# Altium PCB uTCA_MCH_PCB3.pcbdoc (part 3 of 25) (continued)
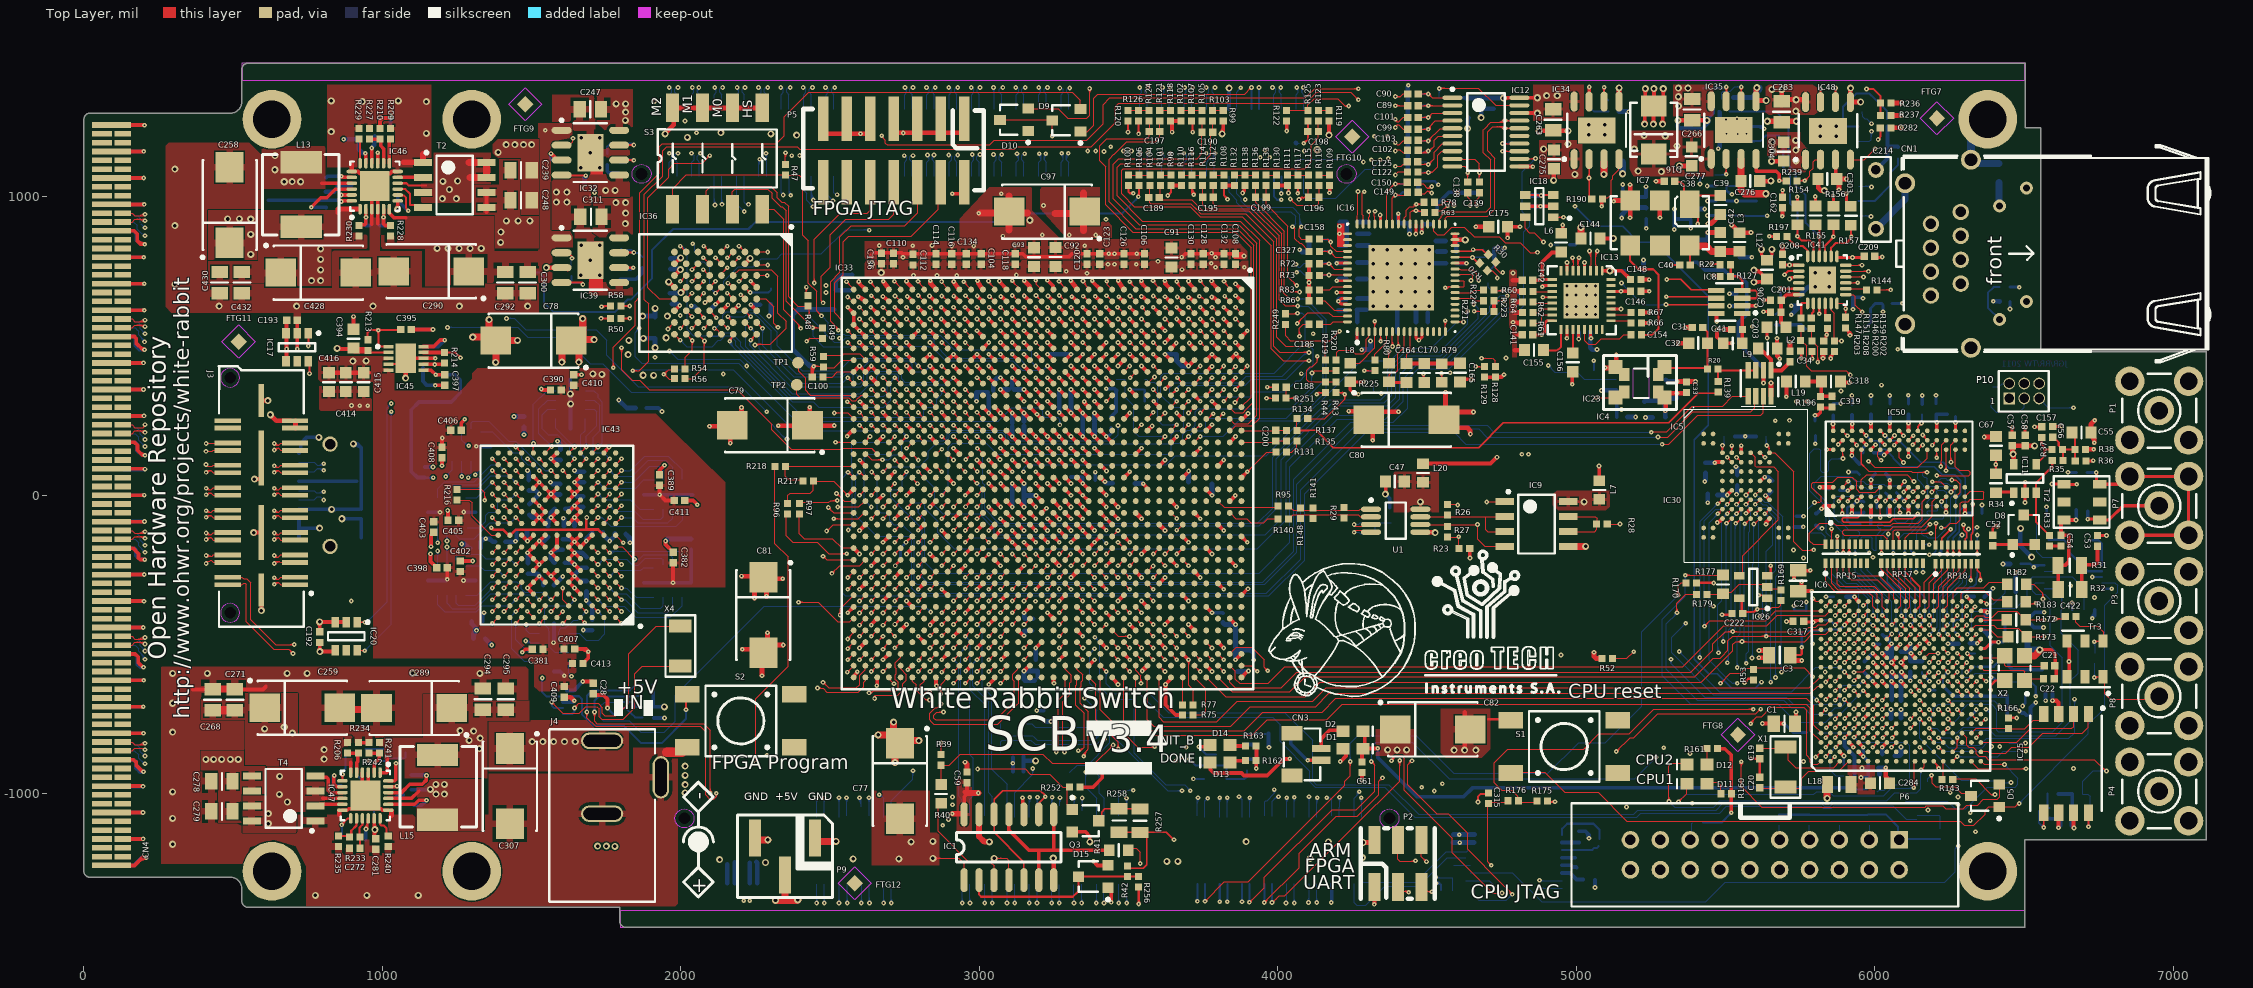
[diagram p0: Top Layer view]
## Part data
C1 C2 C3 C4 C75 C76 C85 C86 C247 C263 C266 C268 C269 C270 C271 C283 C292 C294 C295 C296 C297 C300 C301 C302 C311 C429 C430 C431 C432: library part CC0805_22UF_6.3V_20%_X5R, "Capacitor"
C5 C6 C7 C8 C9 C11 C12 C13 C14 C15 C16 C17 C18 C24 C25 C26 C27 C28 C29 C30 C31 C33 C34 C37 C38 C40 C41 C44 C45 C52 C56 C57 C59 C60 C62 C63 C65 C66 C100 C141 C142 C143 C146 C148 C159 C160 C162 C169 C171 C172 C173 C174 C176 C177 C178 C180 C181 C183 C184 C186 C187 C191 C192 C193 C194 C201 C207 C208 C209 C210 C212 C213 C215 C216 C217 C219 C220 C221 C222 C223 C224 C225 C226 C227 C228 C229 C230 C231 C232 C233 C234 C240 C241 C242 C243 C244 C253 C261 C285 C286 C293 C298 C299 C309 C316 C317 C319 C320 C321 C324 C325 C326 C328 C337 C338 C339 C340 C341 C342 C343 C344 C345 C346 C347 C348 C381 C382 C389 C390 C396 C397 C406 C407 C408 C409 C410 C411 C412 C413 C422: library part CC0402_100NF_16V_10%_X7R, "Capacitor"
C10 C23 C68 C71 C72 C74 C84 C91 C92 C93 C94 C95 C96 C218 C238 C246 C255 C256 C264 C267 C273 C274 C275 C276 C277 C284 C287 C303 C304 C312 C318 C322 C323 C417: library part CC0603_4.7UF_10V_10%_X5R, "Capacitor"
C19 C20: library part CC0402_15PF_50V_5%_NP0, "Capacitor"
C21 C22: library part CC0402_27PF_50V_5%_NP0, "Capacitor"
C32 C35 C36 C39 C42 C46 C47 C55 C64 C140 C144 C151 C155 C156 C161 C167 C175 C203 C211 C393 C394 C414 C415 C416: library part CC0603_10UF_6.3V_20%_X5R, "Capacitor"
C43 C58 C88 C89 C90 C99 C101 C102 C103 C122 C125 C138 C139 C149 C150 C152 C153 C154 C157 C158 C185 C188 C189 C190 C195 C196 C197 C198 C199 C200 C327: library part CC0402_10NF_25V_10%_X7R, "Capacitor"
C53 C54: library part CC0402_47NF_25V_10%_X7R, "Capacitor"
C61 C235 C236 C237 C250 C251 C252 C272 C281 C315 C329 C330 C331 C332 C398 C405: library part CC0402_1UF_16V_10%_X5R, "Capacitor"
C67: library part CC0603_O.C., "Capacitor"
C69 C70 C73 C83 C87: library part CC0402_470NF_16V_10%_X5R, "Capacitor"
C77 C78 C79 C80 C81 C82 C97 C98: library part CP2917_330UF_6.3V_20%_TANT, "Polarized Capacitor Tantalum"
C104 C105 C106 C107 C108 C109 C110 C111 C112 C113 C114 C115 C116 C117 C118 C119 C120 C121 C123 C124 C126 C127 C128 C129 C130 C131 C132 C133 C134 C135 C136 C137: library part CC0402_220NF_16V_10%_X7R, "Capacitor"
C163 C206 C245 C262 C265 C282 C310: library part CC0402_2.7NF_50V_10%_X7R, "Capacitor"
C164: library part CC0603_33PF_50V_5%_NP0, "Capacitor"
C165 C168: library part CC0603_220NF_10V_10%_X7R, "Capacitor"
C166 C202 C204 C205 C314: library part CC0402_10PF_50V_5%_NP0, "Capacitor"
C170: library part CC0603_68PF_50V_5%_NP0, "Capacitor"
C214: library part CPER_100NF_100V_10%_500-250X720X650, "Non-polarised capacitor"
C239 C248 C254 C257 C278 C279 C305 C306: library part CC0805_22UF_16V_10%_X5R, "Capacitor"
C249 C258 C280 C307: library part CP2917_220UF_10V_20%_TANT, "Polarized Capacitor Tantalum"
C259 C260 C288 C289 C290 C291 C427 C428: library part CP2917_220UF_6.3V_20%_TANT, "Polarized Capacitor Tantalum"
C333 C334 C335 C336 C402 C403 C420 C421: library part CC0402_22NF_25V_10%_X7R, "Capacitor"
C349 C350 C351 C352 C395: library part CC0402_1NF_25V_10%_X7R, "Capacitor"
CN1: library part CON_ETHERNET_TYCO_1888250-1, "low profile uTCA Ethernet jack (RJ45)"
CN2: library part KX15_20p, "multipin B2B connector (plug)"
CN3: library part CON_SH_CRIMP_1MM_2
CN4: "microTCA MTCA.0 standard MCH connector 3"
D1 D2 D3 D4: library part Diode, "Default Diode"
D5 D6 D9 D10: library part BAT54A.1, "Schottky Barrier Double Diode"
D8 D15: "Silicon Switching Diode Array for High-Speed Switching"
D11 D12 D13 D14: library part LED0, "Typical INFRARED GaAs LED"
D16: "2 A Silicon Rectifier 50 to 1000 Volts"
FTG1 FTG2 FTG3 FTG4 FTG5 FTG6 FTG7 FTG8 FTG9 FTG10 FTG11 FTG12: library part FIDUCIAL_TARGET_S100-200, "Fiducial Target"
IC1: library part SN74LVT125, "Quad Buffer with 3-State Outputs with TTL Compatible Inputs"
IC2 IC3: "I2C, 32 BIT BINARY COUNTER WATCHDOG RTC"
IC4: library part VCTCXO_VM53S, "VCTCXO oscillator"
IC5 IC8: library part AD5662BRJ, "Analog Devices 16-bit DAC w/SPI interface, ext ref"
IC6: "Atmel 400MHz ARM926 MCU"
IC7: library part VCXO_CFPV_45, "VCXO oscillator"
IC9: "350MHz Differential-to-LVCMOS Translator/Buffer"
IC11: library part ADCMP600, "Analog Devices fast comparator"
IC12: "Low-Voltage 1:5 Differential LVECL/LVPECL/LVEPECL/HSTL Clock Driver"
IC13: library part CDCM61002, "Low Jitter Clock Generator, Two Outpust, Integrated VCO"
IC16: library part AD9516, "PLL with clock fanout"
IC17 IC18 IC19 IC20: "I2C temp. sensor"
IC21: "Single High Speed Differential Driver"
IC22 IC40: library part OSC_CFPS-73, "SMD oscillator 3.3V (Elfa)"
IC23: library part IVT32000C
IC25: library part AT45DB642D, "64-megabit 2.7V, Dual-Interface DataFlash"
IC26: library part SN74AHC1G32, "TI single OR gate"
IC28: "Micropower Voltage Reference Diode"
IC30: "NAND Flash 256Mx16, 1.8V Asynch/Page"
IC31: library part IFC_MAX3232
IC32 IC34 IC35 IC39 IC48: library part AP7173, "1.5A Low Dropout Linera Regulator"
IC33: library part XC6VLX130T-1FF1156C, "Virtex-6 LXT Platform FPGA, 600 User I/Os, 20 GTXs, 1156-Ball FFBGA, Speed Grade 1, Commercial Grade"
IC36: "NOR Flash Memory, 256Mbit"
IC38 IC44: "300 mA, High PSRR, Low Quiescent Current LDO, 5-Pin SOT-23, Industrial Temperature, Tape and Reel"
IC41: "RMII ethernet transceiver with auto MIDIX"
IC43: library part CY7C1314CV18, "18-Mbit (512Kx36) QDRII SRAM 2-Word Burst Architecture"
IC45: library part TPS51200, "Sink/Source DDR Termination Regulator"
IC46 IC47: "Dual Synchronous Step-Down Controller For Low Voltage Power Rails"
IC50: library part MT47H32M16, "DDR2 SDRAM 8Mx16x4 Banks"
J2: "High Speed Ground Plane Header"
J4: library part PWR_JACK, "Power Jack 5A @ 12V"
L1 L2 L3 L4 L5 L6 L7 L8 L9 L10 L12 L16 L17 L18 L19 L20: library part L_FERRITE_BEAD, "ferrite bead"
L11 L13 L14 L15: library part Inductor, "Low Profile, High Current Inductor"
P1 P3 P4 P7 P8: library part SMB, "SMB Straight Connector"
P2 P10: "SMD Header, 3-Pin, Dual row, 2.54mm pitch"
P5: "Header, 7-Pin, Dual row, 2.0 mm pitch"
P6: "Header, 10-Pin, Dual row, 2.54mm pitch"
P9: "Header, 3-Pin"
Q1 Q2 Q3: "N-Channel Logic Level Enhancement Mode Field Effect Transistor"
R1 R46 R160 R161 R162 R163 R184 R217 R219 R221 R222 R226: library part R0402_330R_±1%_0.1W_100PPM, "SMD Resistor"
R2 R3 R51 R52 R53 R60 R61 R62 R64 R65 R66 R67 R164 R179 R227 R235: library part R0402_O.C., "SMD Resistor"
R4 R5 R6 R11 R35 R37 R106 R128 R129 R138 R165 R166 R167 R168 R169 R170 R181 R188 R190 R191 R198 R199 R207 R211 R212 R213 R214 R229 R231 R238 R242: library part R0402_10K_±1%_0.1W_100PPM, "SMD Resistor"
R7 R8 R9 R10 R158: library part R0402_100K_±1%_0.1W_100PPM, "SMD Resistor"
R12 R13 R14 R15 R16 R17 R18 R19 R45 R47 R48 R49 R50 R54 R55 R56 R57 R58 R100 R102 R110 R111 R117 R120 R122 R126 R132 R134 R185 R189 R200 R202 R203 R208 R209 R232 R237 R239 R240 R243 R248 R249 R252 R256: library part R0402_4.7K_±1%_0.1W_100PPM, "SMD Resistor"
R20 R22 R33 R145: library part R0402_470R_±1%_0.1W_100PPM, "SMD Resistor"
R21: library part R0603_20R_±1%_0.25W_100PPM, "SMD Resistor"
R23 R24 R25 R26 R27 R75 R77 R96 R97 R174: library part R0402_49R9_±1%_0.1W_100PPM, "SMD Resistor"
R28 R152 R153 R187 R192 R210 R233 R251: library part R0402_0R_0.1W_JUMPER, "SMD Resistor"
R29 R39 R43 R44 R59 R90 R171 R193 R218 R220 R223 R224 R225 R245 R250: library part R0402_100R_±1%_0.1W_100PPM, "SMD Resistor"
R30 R63 R70 R78 R142 R143 R144 R146 R147 R151: library part R0402_33R_±1%_0.1W_100PPM, "SMD Resistor"
R31 R32 R257 R258: library part R0805_100R_±1%_0.33W_100PPM, "SMD Resistor"
R34 R41 R172 R173 R182 R183: library part R0603_33R_±1%_0.25W_100PPM, "SMD Resistor"
R36 R38: library part R0402_2K2_±1%_0.1W_100PPM, "SMD Resistor"
R40 R154 R155 R156 R157: library part R0603_49R9_±1%_0.25W_100PPM, "SMD Resistor"
R42 R68 R71 R72 R73 R81 R82 R84 R85 R87 R88 R89 R91 R92 R93 R141 R246 R247: library part R0402_200R_±1%_0.1W_100PPM, "SMD Resistor"
R69 R76 R94 R95 R140 R253 R254 R255: library part R0402_75R_±1%_0.1W_100PPM, "SMD Resistor"
R79: library part R0603_820R_±1%_0.1W_100PPM, "SMD Resistor"
R80: library part R0603_390R_±1%_0.1W_100PPM, "SMD Resistor"
R83 R98 R99 R108 R109 R118 R119 R130 R131 R148 R204: library part R0402_4K12_±1%_0.1W_100PPM, "SMD Resistor"
R86: library part R0402_5K1_±1%_0.1W_100PPM, "SMD Resistor"
R101 R103 R104 R105 R112 R113 R114 R115 R121 R123 R124 R125 R133 R135 R136 R137 R205: library part R0402_1K_±1%_0.1W_100PPM, "SMD Resistor"
R107 R175: library part R0402_30K_±1%_0.1W_100PPM, "SMD Resistor"
R116 R127 R139 R176 R206: library part R0402_22K_±1%_0.1W_100PPM, "SMD Resistor"
R159 R186 R195 R196 R236: library part R0402_1K5_±1%_0.1W_100PPM, "SMD Resistor"
R177: library part R0603_0R_0.1W_JUMPER, "SMD Resistor"
R178: library part R0402_4K87_±1%_0.1W_100PPM, "SMD Resistor"
R180: library part R0402_2K43_±1%_0.1W_100PPM, "SMD Resistor"
R194: library part R0402_6K81_±1%_0.1W_100PPM, "SMD Resistor"
R197: library part R0402_12K1_±1%_0.1W_100PPM, "SMD Resistor"
R216: library part R0402_249R_±1%_0.1W_100PPM, "SMD Resistor"
R228 R234: library part R0402_9K31_±1%_0.1W_100PPM, "SMD Resistor"
R230: library part R0402_2K8_±1%_0.1W_100PPM, "SMD Resistor"
R241: library part R0402_13K_1%_0.0625W_100PPM, "Resistor - 1%"
RP2 RP4 RP6 RP7 RP10 RP12 RP14: library part EXB-E10C470J, "47R, 62.5mW Chip Resistor Bussed Network"
RP15 RP16 RP17 RP18 RP19 RP20: library part RES_8xARRAY, "27R, 62.5mW Chip Resistor 8 Elements Array"
S1 S2: library part SW-PB, "Push button"
S3: library part SW-DIP4, "4 Positions DIP SWITCH"
T2 T3 T4 T5: "Dual SO-8 MOSFET For POL Cconverter"
TP1 TP2: library part TEST_POINT, "SMD 1mm Test Point"
Tr1: "ethernet trafo (TME)"
Tr2 Tr3: "SMT Mini WideBand Transformer 1:1, 10uH,"
U1: "Differential Data and Clock D-Type Flip-Flop"
X1: library part XTAL, "Crystal Oscillator 12pF"
X2: library part X_CRYSTAL_SMD_7M, "SMD Crystal 7M Series 18pF 30 ppm"
X3 X4: library part XTAL, "Crystal Oscillator 7pF"

## Free pads (board coordinates)
  round 196.85 hole 125.98 unplated: ""(629.92,-1259.84) ""(629.92,1259.84) ""(1299.21,-1259.84) ""(1299.21,1259.84) ""(6377.95,-1259.84)
  round 196.85 hole 125.98: ""(6377.95,1259.84)

## Via types
v1: diameter 15.75, hole 5.91, Top Layer to Bottom Layer, tented both sides, 2480 vias
v2: diameter 23.62, hole 11.81, Top Layer to Bottom Layer, tented both sides, 325 vias
v3: diameter 20, hole 10, Top Layer to Bottom Layer, tented both sides, 16 vias
v4: diameter 15.75, hole 7.87, Top Layer to Bottom Layer, tented both sides, 9 vias
v5: diameter 23.62, hole 11.81, Top Layer to Bottom Layer, 1 vias
v6: diameter 15.75, hole 5.91, Top Layer to Bottom Layer, 1 vias

## Nets (pads, with @x,y where several pads share a name; then routed paths per layer and width w, separated by ;. In a path a pad name is that pad's centre, name@x,y a point inside that pad or via, vN(x,y) a via of type N, cw(c..) or ccw(c..) an arc to the next point about the centre after c; other vN are vias at no path point)
5VBUSMONITORING: IC6.T12 R175.2 R176.2 | length 2130.7
  Top Layer w3.94: R176.2@4803.17,-1029.77 4803.17,-1007.65 4783.48,-987.96 4749.62,-987.96 4724.77,-963.11 4724.77,-895.86 4770.28,-850.35 5024.33,-850.35 5075.68,-799 5177.33,-799 5259.79,-716.54 v1@5591.48,-716.54 ; R176.2@4806.07,-1027.94 4866.5,-1027.94 R175.2@4867.52,-1026.92 ; 5577.86,-716.54 cw(c5577.86,-731.83) v1@5588.67,-721.02 ; 5579.33,-716.54 ccw(c5579.33,-703.32) v1@5588.67,-712.66 ; v1@6276.3,-534.9 cw(c6276.3,-549.16) 6286.38,-539.07 cw(c6296.46,-528.99) v1@6282.2,-528.99 ; v1(6276.3,-528.99) IC6.T12@6292.05,-544.74
  MidLayer1 w3.94: v1@5592.85,-710.93 ccw(c5592.85,-697.57) 5602.3,-707.02 ; v1@5593.1,-716.22 5641.42,-667.9 5988.1,-667.9 6009.22,-646.78 6009.22,-551.32 6017.3,-543.24 6035.76,-543.24 6065.76,-513.24 6260.55,-513.24 v1(6276.3,-528.99) ; v1@5598.76,-716.84 cw(c5613.91,-716.84) 5603.19,-706.13 ; v1@6270.39,-528.99 ccw(c6256.14,-528.99) 6266.22,-518.91 ccw(c6276.3,-508.83) v1@6276.3,-523.09
  other v1: 5592.85,-716.84
+1V0: C2.2 C7.1 C8.1 C9.1 C12.1 C69.2 C70.2 C71.1 C72.1 C77.1 C78.1 C79.1 C80.1 C81.1 C82.1 C217.2 C427.1 C428.1 C429.1 C430.2 C431.1 C432.1 D4.2 IC6.E18 IC6.G12 IC6.G13 IC6.H11 IC6.U18 IC33.AA12 IC33.AA14 IC33.AA16 IC33.AA18 IC33.AA20 IC33.AB11 IC33.AB13 IC33.AB15 IC33.AB17 IC33.AB19 IC33.AB21 IC33.M19 IC33.M21 IC33.N12 IC33.N14 IC33.N16 IC33.N18 IC33.N20 IC33.P11 IC33.P13 IC33.P15 IC33.P17 IC33.P19 IC33.P21 IC33.R10 IC33.R12 IC33.R14 IC33.R16 IC33.R18 IC33.R20 IC33.T11 IC33.T13 IC33.T15 IC33.T19 IC33.T21 IC33.U10 IC33.U12 IC33.U14 IC33.U16 IC33.U20 IC33.V11 IC33.V13 IC33.V15 IC33.V19 IC33.V21 IC33.W12 IC33.W14 IC33.W16 IC33.W20 IC33.Y11 IC33.Y13 IC33.Y15 IC33.Y17 IC33.Y19 IC33.Y21 IC46.1 L13.2 L16.1 L17.1 R230.2 | length 4174.7
  Top Layer w12.6: v2@2660,-803 v2(2661,-803) ; C77.1@2705.6,-803 C77.1@2733.82,-831.22 C77.1@2718,-847.04 ; C77.1@2713,-791.96 C77.1@2743.04,-822 ; v1(3031.5,-118.11) IC33.AB21@3051.18,-98.43 ; v1@3031.61,78.62 IC33.AB17@3051.18,59.06 ; v1@3032.01,234.25 IC33.AB13@3049.72,216.54 ; IC33.AB19@3051.18,-19.68 v1@3070.87,-39.37 ; IC33.AB15@3051.18,137.8 v1(3069.41,119.65) ; IC33.AB11@3055.44,291.34 v1(3071.03,275.75) IC33.AA12@3090.55,256.23 ; v1(3070.87,196.85) IC33.AA14@3090.55,177.17 ; v1@3071.22,39.02 IC33.AA18@3090.55,19.69 ; IC33.AA20@3090.55,-59.06 v1(3110.35,-78.94) ; IC33.AA16@3090.55,98.19 v1(3110.2,78.54) ; v1(3110.04,157.68) IC33.Y15@3129.92,137.8 ; IC33.Y21@3129.92,-98.43 v1(3149.61,-118.11) ; IC33.Y19@3129.92,-19.68 v1(3149.61,-39.37) ; IC33.Y17@3129.92,59.06 v1(3149.61,39.37) ; IC33.Y13@3133.86,212.6 v1(3149.61,196.85) IC33.W14@3169.29,177.17 ; IC33.Y11@3133.86,291.34 v1(3149.61,275.59) IC33.W12@3169.29,255.91 ; v1(3149.61,118.11) IC33.W16@3165.35,102.36 ; IC33.W20@3169.29,-59.06 v1@3189.06,-78.82 ; v1(3188.62,314.21) IC33.V11@3207.56,295.28 ; v1(3189.09,157.4) IC33.V15@3208.66,137.8 ; v1(3189.61,-0.75) IC33.V19@3208.54,-19.68 ; IC33.V21@3208.66,-98.43 v1(3228.35,-118.11) ; IC33.V13@3212.6,212.6 v1(3228.35,196.85) IC33.U14@3248.03,177.17 ; v1(3228.35,118.11) IC33.U16@3244.09,102.36 ; v1(3228.35,275.59) IC33.U12@3248.03,255.91 ; v1(3228.35,354.33) IC33.U10@3248.03,334.65 ; IC33.U20@3248.03,-60.55 v1@3266.65,-79.17 ; v1@3267.95,157.24 IC33.T15@3287.4,137.8 ; IC33.T21@3287.4,-98.43 v1(3307.09,-118.11) ; IC33.T19@3287.4,-19.68 v1(3307.09,-39.37) ; IC33.T13@3291.34,212.6 v1(3307.09,196.85) IC33.R14@3326.77,177.17 ; IC33.T11@3291.34,291.34 v1(3307.09,275.59) IC33.R12@3326.77,255.91 ; v1(3307.09,354.33) IC33.R10@3326.77,334.65 ; v1(3308.11,119.25) 3326.54,100.83 IC33.R16@3328.62,100.83 ; IC33.R20@3326.77,-59.06 v1@3346.3,-78.58 ; IC33.R18@3326.77,19.69 v1(3346.46,0) IC33.P19@3366.14,-19.68 ; v1(3346.46,78.74) IC33.P17@3366.14,59.06 ; v1(3346.46,157.48) IC33.P15@3366.14,137.8 ; v1@3350.48,310.94 IC33.P11@3366.14,295.28 ; v1@3353.01,314.02 ccw(c3366.57,314.02) 3356.99,304.43 ; IC33.P21@3366.14,-98.43 v1(3385.83,-118.11) ; IC33.P13@3370.08,212.6 v1(3385.83,196.85) IC33.N14@3405.51,177.17 ; v1(3385.83,275.59) IC33.N12@3405.51,255.91 ; IC33.N20@3405.51,-59.06 v1@3423.23,-76.77 ; IC33.N18@3405.51,19.69 v1@3424.21,0.98 ; IC33.N16@3409.45,98.43 v1@3423.23,84.65 ; v1@3425.2,-78.74 IC33.M21@3444.88,-98.43 ; IC33.M19@3444.88,-19.68 v1(3464.37,-39.21) ; C2.2@5750.6,-320.92 v1@5789.7,-320.92 ; C2.2@5754.65,-314.73 v1(5754.65,-289.02) ; v1@5931.81,-341.98 IC6.E18@5945.59,-355.76 ; v1(5992.83,-528.99) IC6.G12@6008.58,-544.74 ; v1(5994.8,-499.46) IC6.G13@6008.58,-513.24 ; v1(6024.33,-560.49) IC6.H11@6040.08,-576.24 ; v1(6307.8,-340.02) IC6.U18@6323.11,-355.33
  Top Layer w15.75: 850.75,946.42 850.75,957.8 ; 851.62,958.66 IC46.1@922.09,958.66 ; v1(2203.27,-270.94) C81.1@2238.54,-270.94 ; v1(2246.61,-344.21) C81.1@2246.61,-312.01 ; v1@2286.89,-338.98 C81.1@2286.89,-312.09 ; C81.1@2310.16,-279.92 v1(2341.3,-279.92) ; v1(2326.02,233.15) C79.1@2400.59,233.15 ; C79.1@2430.51,233.23 v1@2513.78,233.23 ; C79.1@2431.54,234.25 v1@2431.54,294.86 ; v1(4237.32,281.89) C80.1@4323.07,281.89 ; v1(4317.68,184.17) C80.1@4317.68,232.83 ; C80.1@4337.76,279.96 v1(4403.78,279.96)
  Top Layer w23.62: v2(1601.06,445.83) C78.1@1601.06,489.8 ; v2(1658.62,445.83) C78.1@1658.62,493.58 ; v2(1671.13,591.46) 1671.22,591.37 C78.1@1671.22,534.84 ; C78.1@1678.54,521.14 v2(1709.57,521.14) ; v2(2661,-803) C77.1@2705.6,-803 ; C77.1@2713,-791.96 v2@2713,-761.64 ; v2(2718,-896) C77.1@2718,-847.04 ; C77.1@2743.04,-822 v2(2797,-822)
  MidLayer1 w3.94: v1@891.14,-358.15 cw(c881.06,-368.23) 895.31,-368.23 cw(c909.57,-368.23) v1@899.49,-358.15 ; v1(895.32,-353.98) 895.32,-748.86 954.72,-808.27 v1@954.72,-889.65 ; v1@948.58,-885.59 ccw(c933.74,-870.75) 954.72,-870.75 ; v1@951.36,-888.37 ccw(c943.24,-880.25) 954.72,-880.25 ccw(c962.25,-880.26) v1@956.93,-885.59
  Bottom Layer w6.89: v1@953.74,-890.75 954.73,-889.76 1008.27,-889.76 1015.75,-882.28 1073.37,-882.28 1077.64,-878.01 D4.2@1077.64,-861.1 ; v1@955.89,-892.89 cw(c963.45,-900.46) 963.45,-889.76 cw(c963.44,-879.07) v1@955.89,-886.63
  Bottom Layer w12.6: C9.1@5964.96,-556.87 v1(5992.83,-528.99) ; v1(5994.8,-499.46) C7.1@6016.57,-499.46 ; v1(6307.8,-340.02) 6308.62,-339.19 C217.2@6331.89,-339.19 ; v1(6484,-723) 6486.39,-723 6492.95,-729.56 6500.56,-729.56 L17.1@6508,-737 ; L16.1@6514.53,-424.49 6533.04,-443 v1(6565,-443) ; L17.1@6521.69,-748.27 6521.69,-711.31 v1(6539,-694) ; L16.1@6522,-406 6536,-392 v1(6567,-392)
  Bottom Layer w15.75: v1(3149.61,-39.37) C69.2@3149.61,-1.65 ; C69.2@3149.61,0 v1(3149.61,39.37) ; v1(3149.61,196.85) C70.2@3149.61,233.15 ; C70.2@3149.61,246.46 v1(3149.61,275.59) ; C69.2@3150.51,-0.75 v1(3189.61,-0.75) ; v1@3307.09,276.06 v1(3307.09,354.33) ; v1(3385.83,196.85) C71.1@3385.83,238.9 ; C71.1@3385.83,246.81 v1(3385.83,275.59) ; C8.1@5904.06,-340.02 v1(5931.81,-340.02) ; C12.1@6053.86,-748.6 v1(6053.86,-717.97)
  other v1: 952.75,-889.76 2286.5,-338.74 5788.92,-321.96 3189.06,-79.06 3268.23,-79.37 3346.3,-78.78 3424.67,-78.74 3071.22,-39.37 3424.67,0.98 3071.22,39.37 3031.61,78.7 3425.9,81.53 3267.6,157.24 2514.09,233.54 3031.38,234.25 2431.57,295.17 3351.44,314.02
  other v2: 4367.87,-853.11 4399.53,-853.11 4431.22,-853.11 2712.81,-760.32 762.52,719.37 793.23,719.37 793.23,754.75 793.23,790.13 793.23,825.51
+1V0_GTX: C91.2 C92.2 C93.2 C97.1 C104.2 C106.2 C108.2 C110.2 C112.2 C114.2 C116.2 C118.2 C120.2 C123.2 C126.2 C128.2 C130.2 C132.2 C134.2 C136.2 C311.2 C312.2 IC33.AA6 IC33.AC6 IC33.AE6 IC33.AG6 IC33.AJ6 IC33.AL6 IC33.AN6 IC33.C6 IC33.E6 IC33.G6 IC33.J6 IC33.L6 IC33.N6 IC33.R6 IC33.U6 IC33.W6 IC39.8 R126.2 R205.2 | length 1256.6
  Top Layer w6.89: v1@3530.33,1213.76 ccw(c3522.77,1221.32) 3533.46,1221.32 ccw(c3544.16,1221.32) v1@3536.6,1213.76 ; v1(3533.46,1210.63) R126.2@3533.46,1242.13
  Top Layer w12.6: v1(2598.43,511.81) IC33.AN6@2618.11,492.13 ; v1(2677.17,511.81) IC33.AL6@2696.85,492.13 ; v1(2755.91,511.81) IC33.AJ6@2775.59,492.13 ; v1(2834.65,511.81) IC33.AG6@2854.33,492.13 ; v1(2913.39,511.81) IC33.AE6@2933.07,492.13 ; IC33.AC6@3011.81,492.13 v1(3031.5,511.81) ; v1(3070.87,511.81) IC33.AA6@3090.55,492.13 ; v1(3149.61,511.81) IC33.W6@3169.29,492.13 ; v1(3228.35,511.81) IC33.U6@3248.03,492.13 ; v1(3307.09,511.81) IC33.R6@3326.77,492.13 ; IC33.N6@3405.51,492.13 v1(3425.2,511.81) ; v1(3464.57,511.81) IC33.L6@3484.25,492.13 ; v1(3543.31,511.81) IC33.J6@3562.99,492.13 ; IC33.G6@3641.73,492.13 v1(3659.45,509.84) ; v1(3702.76,509.84) IC33.E6@3720.47,492.13 ; v1(3779.53,511.81) IC33.C6@3799.21,492.13
  Top Layer w23.62: 3254.06,944.65 C97.1@3390.5,944.65 ; 3348.55,886.99 3348.55,1011.7
  MidLayer4 w6.89: v1@3525.59,778.05 ccw(c3525.59,791.98) 3535.44,782.13 ; v1@3529.33,776.02 3548.15,794.85 3548.15,858.94 3583.54,894.33 3583.54,1162.87 3536.69,1209.72 v1@3534.53,1209.72 ; v1@3530.02,773.62 cw(c3537.48,773.62) 3532.21,778.9 ; v1@3533.46,1206.2 cw(c3533.46,1189.9) 3544.99,1201.43
  other v1: 2923.94,735.91 2779.53,736.57 2858.27,736.57 3124.02,738.19 3360.24,744.09 3291.34,750 3679.13,755.91 3791.34,763.78 3887.5,764.21 3431.1,773.62 3452.76,773.62 3525.59,773.62 3777,777 3598.43,783.46 3301.18,872.05 3390.08,872.13 3214.57,970.47
  other v2: 2671.25,746.06 2638.9,775.59 1814.37,909.8 1814.96,944.88 1782.09,980.24 1814.96,980.31
+1V0_GTX_PG: IC33.AG15 IC39.2 R207.2 | length 1660.5
  Top Layer w3.94: IC33.AG15@2854.25,136.73 2871.81,154.29 v1(2874.41,154.29)
  Top Layer w6.89: IC39.2@1600.39,812.4 1622.56,812.4 v1@1639.63,795.33
  MidLayer4 w3.94: v1@1639.63,795.33 1639.63,778.93 1648.23,770.33 1664.37,770.33 1783.46,651.24 1783.46,592.48 1898.58,477.36 1920.32,477.36 1922.56,479.61 v1@1959.72,479.61
  MidLayer2 w3.94: v1@2220.79,434.49 2236.54,418.74 2512.87,418.74 2528.15,403.46 ; 2528.15,403.23 2568.43,362.95 2607.09,362.95 2628.5,341.54 2670.43,341.54 2672.83,339.13 2712.43,339.13 2768.7,282.86 ; 2768.7,281.89 2874.41,176.18 v1(2874.41,154.29)
  Bottom Layer w3.94: R207.2@1633.02,769.33 1633.02,788.72 v1@1639.63,795.33 ; v1(1961.97,482.95) 1989.45,455.47 2197.95,455.47 v1(2220.51,432.91)
  other v1: 1634.99,793.69
+1V2_GTX: C94.2 C95.2 C96.2 C98.1 C100.2 C105.1 C107.1 C109.1 C111.1 C113.1 C115.1 C117.1 C119.1 C121.1 C124.1 C127.1 C129.1 C131.1 C133.1 C135.1 C137.1 C246.2 C247.2 IC32.8 IC33.AC2 IC33.AD3 IC33.AG2 IC33.AH3 IC33.AL2 IC33.AM3 IC33.AP7 IC33.C2 IC33.D3 IC33.G2 IC33.H3 IC33.L2 IC33.M3 IC33.R2 IC33.T3 IC33.W2 IC33.Y3 R59.1 R117.2 R180.2 | length 1414.7
  Top Layer w3.94: v1@2446.57,432.64 R59.1@2480.79,432.64 ; v1@2449.33,428.38 cw(c2459.6,418.11) 2459.6,432.64 ; v1@2449.33,436.73 ccw(c2459.22,446.63) 2459.22,432.64 ; R59.1@2482.99,427.17 2513.78,427.17 2539.37,452.76 IC33.AP7@2578.74,452.76
  Top Layer w6.89: v1@4063.8,1014.94 ccw(c4056.24,1022.5) 4066.93,1022.5 ccw(c4077.62,1022.51) v1@4070.06,1014.94 ; v1(4066.93,1011.81) R117.2@4066.93,1037.4
  Top Layer w12.6: C100.2@2440.47,396.26 2440.47,425.51 v1@2445.87,430.91 ; 2440.47,417.45 cw(c2460.27,417.45) v1@2446.27,431.45 ; 2440.47,424.1 cw(c2447.75,424.1) v1@2445.62,431.05 ; 2440.8,425.84 ccw(c2434.08,432.56) v1@2443.58,432.56 ; v1@2637.8,629.92 IC33.AM3@2657.48,610.24 ; v1@2677.23,665.7 IC33.AL2@2697.11,649.93 ; v1(2795.28,629.92) IC33.AH3@2814.96,610.24 ; v1(2832.67,667.32) IC33.AG2@2853.88,649.09 ; v1@2952.73,629.95 IC33.AD3@2972.44,610.24 ; v1(2992.68,667.24) IC33.AC2@3011.3,650.08 ; v1(3110.24,629.92) IC33.Y3@3129.92,610.24 ; v1@3149.61,669.29 IC33.W2@3169.17,650.08 ; v1(3267.72,629.92) IC33.T3@3287.4,610.24 ; v1@3309.87,666.56 IC33.R2@3326.69,650.08 ; v1(3425.2,629.92) IC33.M3@3444.88,610.24 ; v1@3466.51,664.05 IC33.L2@3484.07,649.39 ; v1(3582.68,629.92) IC33.H3@3602.36,610.24 ; v1@3624.24,664.09 IC33.G2@3638.92,649.41 ; v1@3740.45,629.63 IC33.D3@3759.84,610.24 ; v1@3776.96,663.49 3785.33,663.49 IC33.C2@3799.21,649.61 ; v1@3778.57,662.36 cw(c3778.57,643.3) 3792.05,656.77
  MidLayer4 w6.89: 3799.4,1062.4 4042.56,1062.4 4066.93,1038.03 v1(4066.93,1011.81) ; v1@4063.8,1014.94 ccw(c4056.24,1022.5) 4066.93,1022.5 ccw(c4077.62,1022.5) v1@4070.06,1014.94
  Bottom Layer w15.75: 2421.97,442.16 ccw(c2445.16,465.35) v1(2445.16,432.56) ; v1@2444.92,432.64 2431.5,432.64 2374.72,489.41 2374.72,604.96 2391.73,621.97 2513.62,621.97
  other v1: 2635.82,629.92 2951.92,629.95 3739.86,629.63 3778.57,663.93 3309.54,665.39 3466.66,665.19 3622.09,664.98 2676.72,665.52 3150.23,667.79
  other v2: 1814.09,1255.87 1814.53,1283.44 1782.8,1310.87 1814.96,1311.02
+1V2_GTX_PG: IC32.2 IC33.AJ14 R181.2 | length 2136.2
  Top Layer w3.94: IC32.2@1600.39,1172.64 1626.8,1172.64 1638.24,1184.08 v1(1638.24,1195.7) ; v1(2755.91,157.48) IC33.AJ14@2775.59,177.17 ; v1@2755.91,163.39 ccw(c2755.91,177.64) 2765.99,167.56 ccw(c2776.07,157.48) v1@2761.81,157.48
  MidLayer2 w3.94: v1(1638.24,1195.7) 1638.24,1172.45 1682.34,1128.35 1682.34,1106.8 1710.24,1078.9 1710.24,967.44 1767.83,909.84 1767.83,473.98 1793.86,447.95 1932.28,447.95 1974.18,406.06 v1(2142.06,406.06) ; v1@2137.88,401.88 ccw(c2127.8,391.8) 2127.8,406.06 ccw(c2127.8,420.31) v1@2137.88,410.23
  MidLayer3 w3.94: v1@2142.06,400.15 cw(c2142.06,378.4) 2157.44,393.78 ; v1@2142.06,404.09 cw(c2142.06,391.84) 2150.72,400.5 ; v1(2142.06,406.06) 2145.16,406.06 2251.85,299.37 2251.85,262.17 2358.23,155.79 2683.19,155.79 2698.31,140.67 2722.17,140.67 2738.98,157.48 v1(2755.91,157.48) ; v1@2147.97,406.06 ccw(c2154.73,406.06) 2149.95,401.27 ; v1@2751.73,153.3 ccw(c2741.65,143.22) 2741.65,157.48 ccw(c2741.65,171.74) v1@2751.73,161.66
  Bottom Layer w6.89: v1(1710.35,1013.34) 1710.35,1035.26 R181.2@1712.27,1037.18
+1V5: C256.1 C290.1 C291.1 C292.1 C297.2 C300.1 C301.1 C323.1 IC32.1 IC39.1 IC46.6 L11.2 R106.2 R228.1 | length 2502.8
  Top Layer w6.89: v1@3529.52,1003.18 ccw(c3515.25,1017.45) 3535.43,1017.45 ; v1(3532.65,1000.05) 3535.43,1002.83 R106.2@3535.43,1037.4
  Top Layer w11.81: IC46.6@1023.62,958.66 1023.62,944.29 1038.78,929.13 1078.74,929.13
  Bottom Layer w6.89: C301.1@1492.02,745.96 1528.1,745.96 1541.18,732.88 1541.18,645.79 1573.7,613.27 1779.06,613.27 1820.98,655.2 1831.46,655.2 1903.78,727.52 1903.78,821.81 1974.02,892.05 2226.57,892.05 2249.61,915.08 3105.75,915.08 3135.12,944.45 3478.9,944.45 v1@3532.32,997.87 ; 3523.79,989.34 ccw(c3513.08,1000.05) v1@3528.22,1000.05
  other v1: 1545.28,1222.44
  other v2: 1183.07,826.77 1220.1,826.77 1257.13,826.77 1294.15,826.77 1331.18,826.77